# Altium PCB 删除机械层.PcbDoc
Units mil, origin at the board's own origin, x right, y up, seen from the top; angles counter-clockwise.
Board outline 2391.57 x 2391.57 mil, 2 copper layers (Top Layer, Bottom Layer); 91 components, 64 nets, 367 pads, 53 vias.
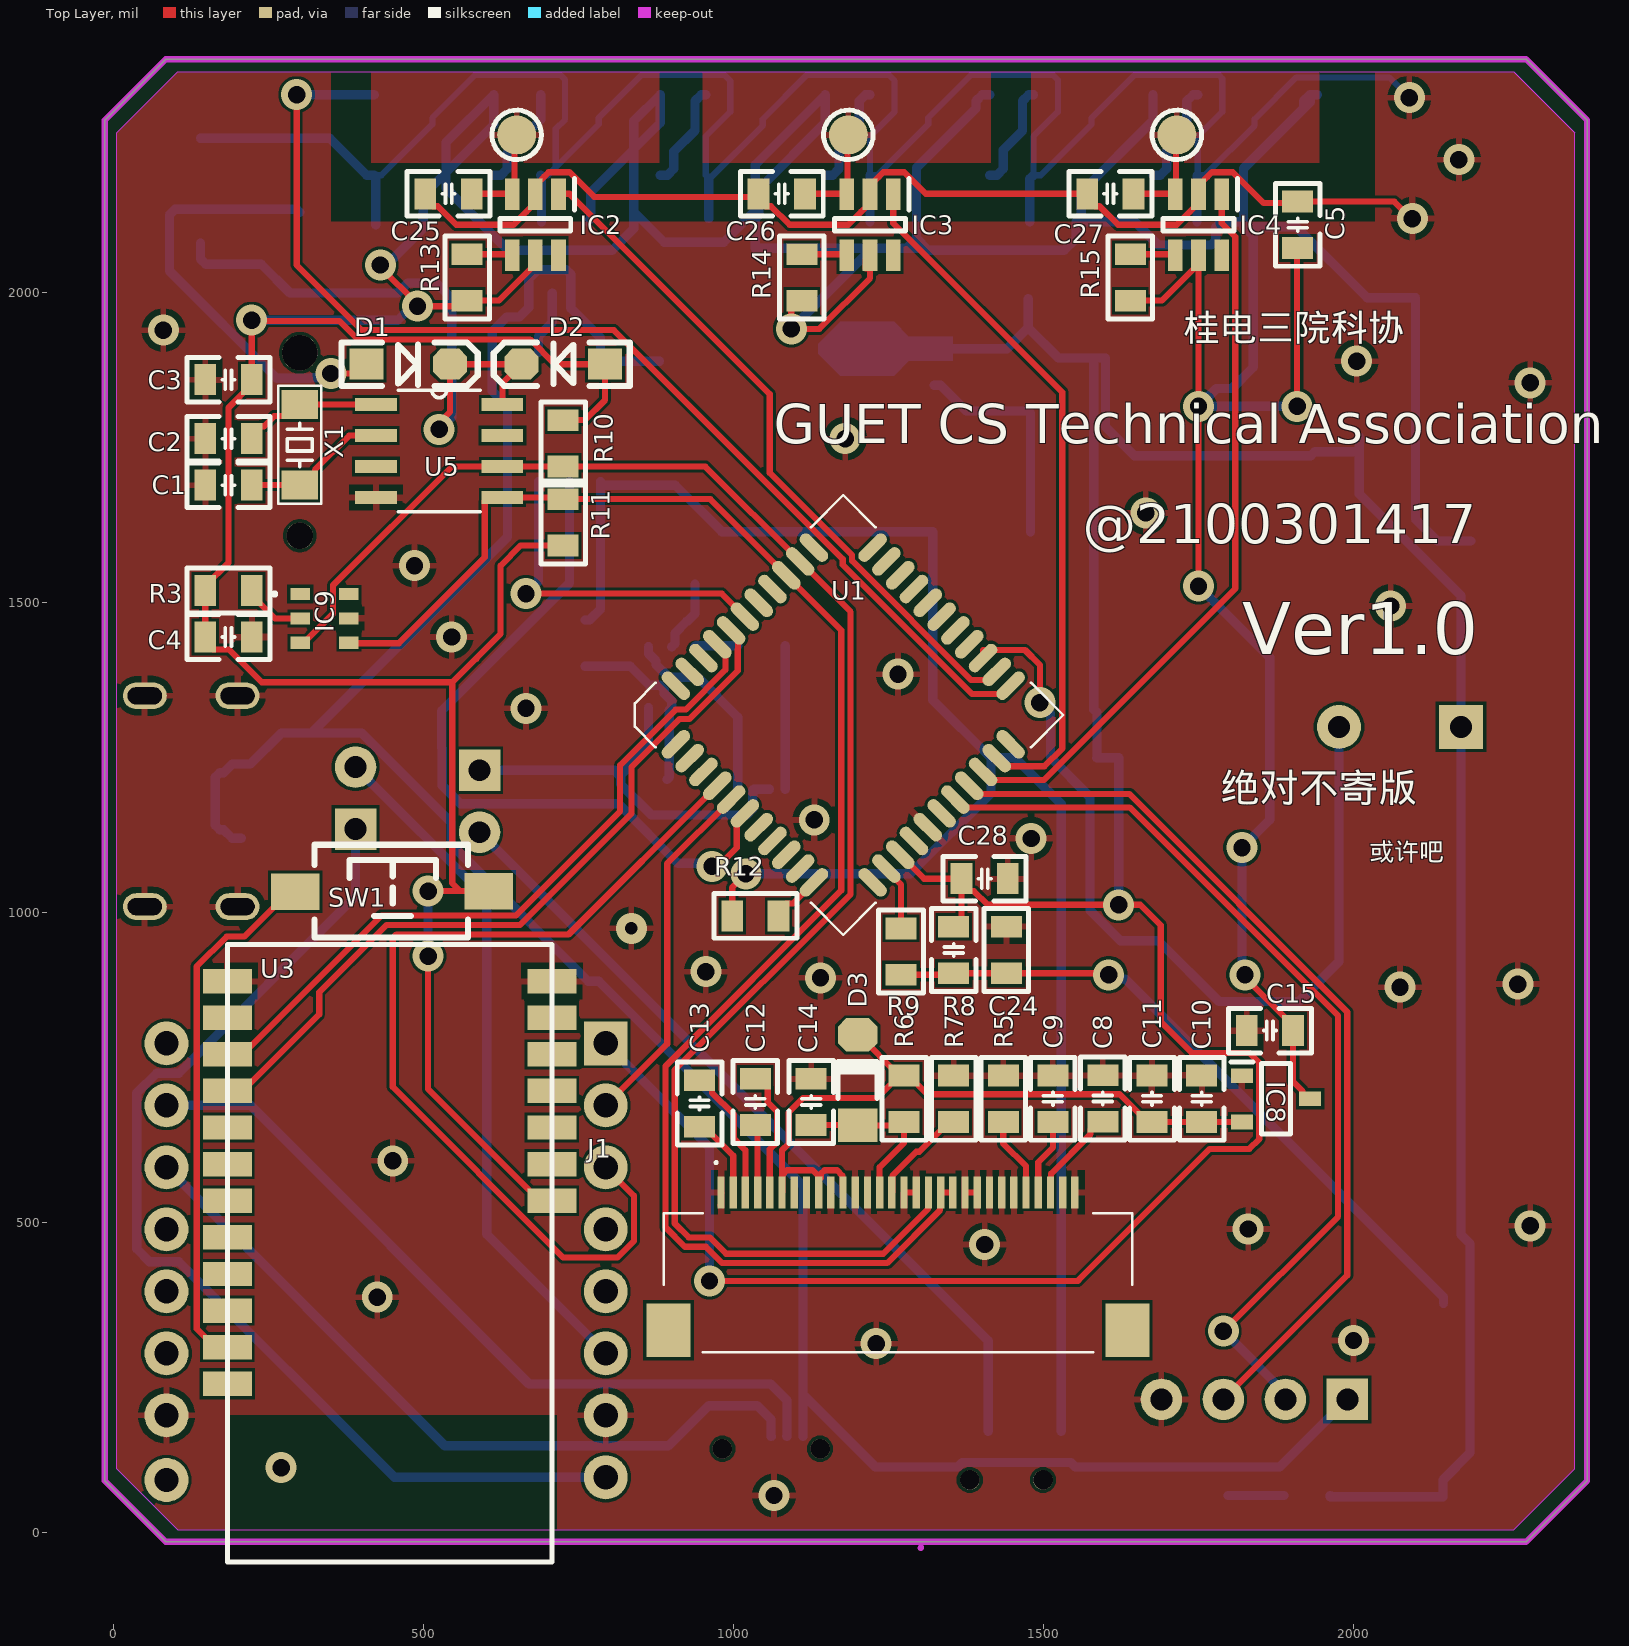
[diagram p0: Top Layer view]
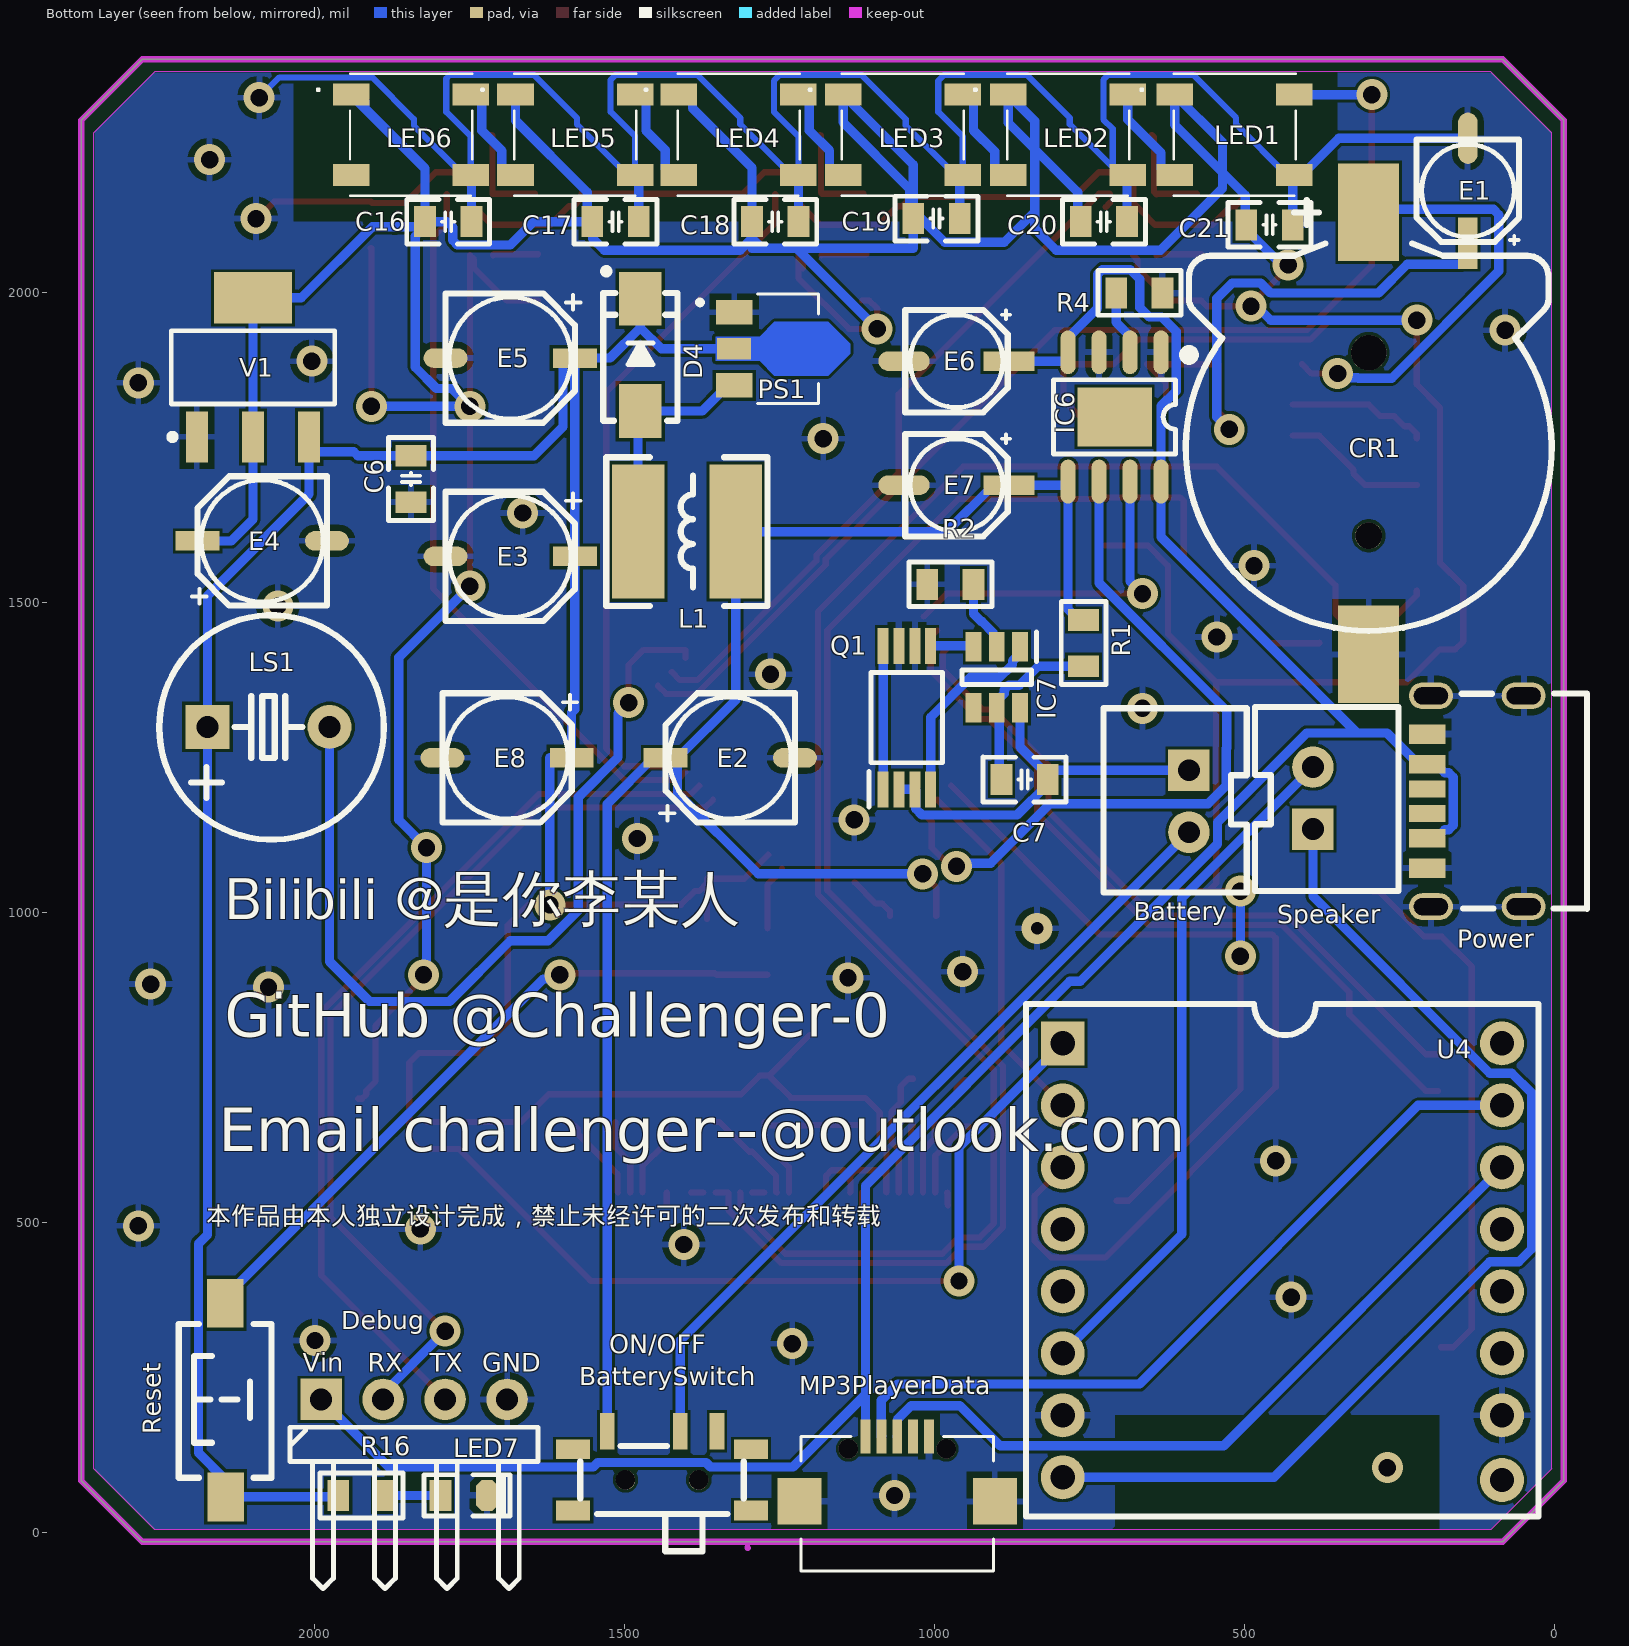
[diagram p1: Bottom Layer view, seen from below]

## Layer stack, top to bottom
Top Solder: solder mask 0.4, Solder Resist, Dk 3.5
Top Layer: signal copper 1.4
Dielectric 1: dielectric 12.6, FR-4, Dk 4.8
Bottom Layer: signal copper 1.4
Bottom Solder: solder mask 0.4, Solder Resist, Dk 3.5

## Board outline
-14.68,83.74 -14.68,2278.46 83.74,2376.89 2278.46,2376.89 2376.89,2278.46 2376.89,83.74 2278.46,-14.68 83.74,-14.68

## Design rules (kind name [scope] priority, off if disabled: settings)
Clearance Clearance_4 [IsRegion vs InComponent('MP3PlayerData')] p1: gap=5 ignorepadtopadclearanceinfootprint=FALSE
Clearance Clearance_3 [(InNetClass('All Nets')) vs OnLayer('Keep-Out Layer')] p2: gap=0 ignorepadtopadclearanceinfootprint=FALSE
Clearance Clearance_2 [InComponent('MP3PlayerData')] p3: gap=0 ignorepadtopadclearanceinfootprint=FALSE
Clearance Clearance_1 [IsNet vs IsPad] p4: gap=5 ignorepadtopadclearanceinfootprint=FALSE
Clearance PadToPad [IsPad vs IsPad] p5: gap=5 ignorepadtopadclearanceinfootprint=FALSE
Clearance [All] p6: gap=5 ignorepadtopadclearanceinfootprint=FALSE
MinimumSolderMaskSliver [All] p1: minsoldermaskwidth=2
PolygonConnect [All] p1: connectstyle=Relief reliefconductorwidth=10 reliefentries=4 polygonreliefangle="90 Angle" airgapwidth=10
RoutingVias [All] p1: holewidth=28 width=50 viastyle="Through Hole" minholewidth=28 minwidth=50 maxholewidth=28 maxwidth=50
SilkToSilkClearance [All] p1: silktosilkclearance=0
SilkToSolderMaskClearance [IsPad] p1: minsilkscreentomaskgap=0 clearancetoexposedcopper=TRUE
SolderMaskExpansion [All] p1: expansion=4 istentingtop=FALSE
Width [All] p1: maxlimit=20 minlimit=10 preferedwidth=10 minimp=50.000000 maximp=50.000000 favimp=50.000000
27 further rules are at their usual default settings.

## Components (designator, comment, footprint, x,y, rotation, side; value= is the part's Value field where it differs from the comment)
Battery "HDR-1X2" XH2.54-LI-2P 590,1180 r270 bottom (schematic designator JP_BAT)
BatterySwitch "SS-12F23" MSK-12C01-07 1440,85 r180 bottom (schematic designator S?)
C1 "15P" C0805_L 185,1690 r0 top
C2 "15P" C0805_L 185,1765 r180 top
C3 "104" C0805_L 185,1860 r0 top
C4 "104" C0805_L 185,1445 r180 top
C5 "104" C0805_L 1910,2110 r270 top
C6 "104" C0805_L 1845,1700 r90 bottom
C7 "104" C0805_L 855,1215 r0 bottom
C8 "2.2uF" C0805_L 1595.64,700.43 r270 top
C9 "4.7uF" C0805_L 1515,700 r270 top
C10 "1uF" C0805_L 1755,700 r270 top
C11 "1uF" C0805_L 1675,700 r270 top
C12 "1uF" C0805_L 1035,695 r90 top
C13 "1uF" C0805_L 945,692.4 r90 top
C14 "4.7uF" C0805_L 1125,695 r270 top
C15 "104" C0805_L 1865,810 r0 top
C16 "104" C0805_L 1785,2115 r180 bottom
C17 "104" C0805_L 1515,2115 r180 bottom
C18 "104" C0805_L 1257.4,2115 r180 bottom
C19 "104" C0805_L 997.4,2120 r180 bottom
C20 "104" C0805_L 727.4,2115 r180 bottom
C21 "104" C0805_L 460,2110 r180 bottom
C24 "10uF" C0805_L 1355,940 r270 top
C25 "104" C0805_L 540,2160 r180 top
C26 "104" C0805_L 1077.6,2160 r180 top
C27 "104" C0805_L 1607.6,2160 r180 top
C28 "104" C0805_L 1405,1055 r0 top
CR1 "1220" CR1220_A 300,1750 r90 bottom
D1 "稳压二极管" SOD-123 475,1885 r0 top
D2 "稳压二极管" SOD-123 725,1885 r180 top
D3 "1N4148" "MINI_MELF (LL34)" 1200,730 r90 top
D4 "SS14" SMA 1475,1900 r90 bottom
Debug "HDR-1X4" HDR2.54-WI-4P 1840,215 r180 bottom (schematic designator JP_DEBUG)
E1 "10uF/16V" "CE B(4*5.4)" 140,2165 r270 bottom
E2 "47uF/16V" "CE C(5*5.4)" 1330,1250 r0 bottom
E3 "47uF/16V" "CE C(5*5.4)" 1685,1575 r180 bottom
E4 "47uF/16V" "CE C(5*5.4)" 2085,1600 r0 bottom
E5 "47uF/16V" "CE C(5*5.4)" 1685,1895 r180 bottom
E6 "10uF/16V" "CE B(4*5.4)" 965,1890 r180 bottom
E7 "10uF/16V" "CE B(4*5.4)" 965,1690 r180 bottom
E8 "47uF/16V" "CE C(5*5.4)" 1690,1250 r180 bottom
IC2 "TTP223-BA6" SOT95P285X126-6N 680,2110 r270 top
IC3 "TTP223-BA6" SOT95P285X126-6N 1220,2110 r270 top
IC4 "TTP223-BA6" SOT95P285X126-6N 1750,2110 r270 top
IC6 "TP4056" SOIC-8_EP 710,1800 r270 bottom
IC7 "DW01A-G" SOT95P280X135-6N 900,1380 r270 bottom
IC8 "XC6206P332MR" SOT95P280X130-3N 1875,700 r0 top
IC9 "AHT20" AHT20 340,1475 r0 top
J1 "046288030000846+" 046288030000846 1265,420 r0 top
L1 "220uH" CD54 1400,1615 r0 bottom
LED1 "WS2812B-B" WS2812BB 516.46,2254.96 r180 bottom
LED2 "WS2812B-B" WS2812BB 785,2254.96 r180 bottom
LED3 "WS2812B-B" WS2812BB 1051.46,2254.96 r180 bottom
LED4 "WS2812B-B" WS2812BB 1316.46,2254.96 r180 bottom
LED5 "WS2812B-B" WS2812BB 1580,2254.96 r180 bottom
LED6 "WS2812B-B" WS2812BB 1845,2254.96 r180 bottom
LED7 "白色" LED0805_W 1760,60 r180 bottom
LS1 "DC5V" "BEEP 5x9x5.5" 2075,1300 r270 bottom
MP3PlayerData "USB2.0_Micro-B" USB2.0_MICRO-B_4 568.35,15.46 r90 bottom locked (schematic designator MP3Player_Debug)
Power "USB_TYPE-C_6Pin" USB-C-SMD_6P 127.75,1180.08 r0 bottom (schematic designator USB1)
PS1 "ME2108A33P" CONV_ME2108A33P 1245,1910 r180 bottom
Q1 "FS8205A" SOP65P640X120-8N 1045,1315 r90 bottom
R1 "100R" R0805_L 760,1435 r90 bottom
R2 "1K" R0805_L 975,1530 r0 bottom
R3 "1K" R0805_L 185,1520 r0 top
R4 "1.2K" R0805_L 670,2000 r0 bottom
R5 "620K" R0805_L 1435,700 r270 top
R6 "1K" R0805_L 1275,700 r90 top
R7 "4.7K" R0805_L 1355,700 r270 top
R8 "10K" R0805_L 1440,940 r270 top
R9 "300R" R0805_L 1270,937.4 r90 top
R10 "4.7K" R0805_L 725,1630 r270 top
R11 "4.7K" R0805_L 725,1757.4 r90 top
R12 "1K" R0805_L 1035,995 r0 top
R13 "1K" R0805_L 570,2025 r270 top
R14 "1K" R0805_L 1110,2025 r270 top
R15 "1K" R0805_L 1640,2025 r270 top
R16 "220R" R0805_L 1925,60 r180 bottom
Reset "3x6x5" "SW SMD-3*6*2.5" 2145,215 r90 bottom (schematic designator SW_RST)
Speaker "HDR-1X2" XH2.54-LI-2P 390,1185 r90 bottom (schematic designator JP_SPK)
SW1 "3x6x5" "SW SMD-3*6*2.5" 450,1035 r0 top
TP1 "TEST" "TEST 1.6" 650,2255 r0 top
TP2 "TEST" "TEST 1.6" 1185,2255 r0 top
TP3 "TEST" "TEST 1.6" 1715,2255 r0 top
U1 "IAP15W4K58S4_LQFP44" LQFP44 906.74,1271.81 r45 top
U3 "ATK_HC05" ATK_HC05 445,565 r180 top
U4 "XY5200" "DFPlayer Mini" 85,439.33 r180 bottom
U5 "PCF8563T/F4,118" SOIC127P600X175-8N 525,1745 r0 top
V1 "AMS1117-3V3" SOT223_L 2100,1880 r90 bottom
X1 "" XTAL-3215-2P 300,1755 r270 top

## Footprints (in the part's own frame and the unit in brackets; to place one, negate y for a bottom-side part, rotate by r counter-clockwise, add the part's x,y. Pads: shape width x height; smd on the part's side, far side on the other; paste and mask are expansions set on the pad)
046288030000846 [mm]
  rect 0.3x1.3 smd: 1(-7.25,3.275) 2(-6.75,3.275) 3(-6.25,3.275) 4(-5.75,3.275) 5(-5.25,3.275) 6(-4.75,3.275) 7(-4.25,3.275) 8(-3.75,3.275) 9(-3.25,3.275) 10(-2.75,3.275) 11(-2.25,3.275) 12(-1.75,3.275) 13(-1.25,3.275) 14(-0.75,3.275) 15(-0.25,3.275) 16(0.25,3.275) 17(0.75,3.275) 18(1.25,3.275) 19(1.75,3.275) 20(2.25,3.275) 21(2.75,3.275) 22(3.25,3.275) 23(3.75,3.275) 24(4.25,3.275) 25(4.75,3.275) 26(5.25,3.275) 27(5.75,3.275) 28(6.25,3.275) 29(6.75,3.275) 30(7.25,3.275)
  rect 1.8x2.2 smd: MP1(-9.4,-2.375) MP2(9.4,-2.375)
  silkscreen extent -9.6,-3.27 9.6,4.55
AHT20 [mm]
  rect 0.8x0.5 smd: 1(-1,1) 2(-1,0) 3(-1,-1) 4(1,-1) 5(1,0) 6(1,1)
  silkscreen extent -2.1,0.95 -2,1.05, body extent -1.5,-1.5 1.5,1.5, height 1.2
ATK_HC05 [mm] "欢迎光临https://shop463601444.taobao.com 掌柜ID：黄晶宝石"
  rect 2x1 smd: 1(-6.65,0.75) 2(-6.65,-0.75) 3(-6.65,-2.25) 4(-6.65,-3.75) 5(-6.65,-5.25) 6(-6.65,-6.75) 7(-6.65,-8.25) 8(6.65,-8.25) 9(6.65,-6.75) 10(6.65,-5.25) 11(6.65,-3.75) 12(6.65,-2.25) 13(6.65,-0.75) 14(6.65,0.75) 15(6.65,2.25) 16(6.65,3.75) 17(6.65,5.25) 18(6.65,6.75) 19(6.65,8.25)
  silkscreen extent -6.65,-9.75 6.65,15.55
"BEEP 5x9x5.5" [mm] "5*9*5.5mm(脚距,直径,高度)        淘宝ID:黄晶宝石"
  rect 1.8x1.8 hole 0.9: 1(0,-2.5)
  round 1.8 hole 0.9: 2(0,2.5)
  silkscreen extent -4.57,-4.47 4.62,4.73, body extent -4.5,-4.5 4.5,4.5, height 5.45
C0805_L [mil] "贴片MLCC电容"
  rect 35x50 smd: 1(-37.4,0) 2(37.4,0)
  silkscreen extent -67,-36 67,36, body extent -39,-24 39,24, height 21
CD54 [mm] "5.8*5.2*4.5mm（长宽高）        淘宝ID:黄晶宝石"
  rect 2.15x5.5 smd: 1(-2,0) 2(2,0)
  silkscreen extent -3.3,-3.05 3.3,3.05, body extent -2.87,-2.5 2.87,2.5, height 4
"CE B(4*5.4)" [mm] "贴片电解电容，直径4mm，高5.4mm"
  rect 2.1x0.8 smd: 1(2.15,0)
  oval 2.1x0.8 smd: 2(-2.15,0)
  silkscreen extent -2.1,-2.1 2.2,2.1, body extent -2.3,-2.15 2.3,2.15, height 5.45
"CE C(5*5.4)" [mm] "贴片电解电容，直径5mm，高5.4mm"
  rect 1.8x0.8 smd: 1(2.65,0)
  oval 1.8x0.8 smd: 2(-2.65,0)
  silkscreen extent -2.65,-2.65 2.88,2.65, body extent -2.95,-2.65 2.95,2.65, height 5.48
CONV_ME2108A33P [mm]
  rect 1.5x1 smd mask+0: 1(-2,1.5) 3(-2,-1.5)
  rect 1.4x0.9 smd paste-2 mask+0: 2(-2,0)
  Top Layer region: 2.75,0.2 2.75,-0.2 1.85,-1.1 -0.35,-1.1 -0.95,-0.5 -2.75,-0.5 -2.75,0.5 -0.95,0.5 -0.35,1.1 1.85,1.1
  silkscreen extent -3.5,-2.25 1.45,2.25, body extent -2.25,-2.6 2.25,1.65, height 1.6
CR1220_A [mm] "纽扣电池座                         淘宝ID:黄晶宝石"
  round 1.1 hole 1.1: 0(-3.6,0)
  round 1.45 hole 1.45: 0(3.9,0)
  rect 4x2.5 smd: 1(9.652,0) 2(-8.458,0)
  silkscreen extent -7.5,-7.5 10.16,7.5, body extent -9.42,-7.45 10.34,7.45, height 4.05
"DFPlayer Mini" [mm] "长：21mm ， 宽： 21mm，高：6mm"
  rect 1.8x1.8 hole 1: 1(-18,8.89)
  round 1.8 hole 1: 2(-18,6.35) 3(-18,3.81) 4(-18,1.27) 5(-18,-1.27) 6(-18,-3.81) 7(-18,-6.35) 8(-18,-8.89) 9(0,-9) 10(0,-6.35) 11(0,-3.81) 12(0,-1.27) 13(0,1.27) 14(0,3.81) 15(0,6.35) 16(0,8.89)
  silkscreen extent -19.5,-10.5 1.5,10.5, body extent -19.5,-10.5 1.5,10.5, height 6.02
HDR2.54-WI-4P [mm] "弯脚排针，4脚"
  rect 1.7x1.7 hole 0.9: 1(-3.81,0)
  round 1.7 hole 0.9: 2(-1.27,0) 3(1.27,0) 4(3.81,0)
  silkscreen extent -5.08,-7.76 5.08,-1.14, body extent -5.08,-7.77 5.08,1.27, height 4.9
LED0805_W [mil] "白色0805LED"
  rect 35x50 smd: 1(-37.4,0)
  oct 35x50 smd: 2(37.4,0)
  silkscreen extent -64,-33 75,33, body extent -39,-25 39,25, height 32
LQFP44 [mm]
  oval 1.45x0.5 smd: 1(0,0) 2(0,-0.8) 3(0,-1.6) 4(0,-2.4) 5(0,-3.2) 6(0,-4) 7(0,-4.8) 8(0,-5.6) 9(0,-6.4) 10(0,-7.2) 11(0,-8) 23(11.4,-8) 24(11.4,-7.2) 25(11.4,-6.4) 26(11.4,-5.6) 27(11.4,-4.8) 28(11.4,-4) 29(11.4,-3.2) 30(11.4,-2.4) 31(11.4,-1.6) 32(11.4,-0.8) 33(11.4,0)
  oval 0.5x1.45 smd: 12(1.7,-9.7) 13(2.5,-9.7) 14(3.3,-9.7) 15(4.1,-9.7) 16(4.9,-9.7) 17(5.7,-9.7) 18(6.5,-9.7) 19(7.3,-9.7) 20(8.1,-9.7) 21(8.9,-9.7) 22(9.7,-9.7) 34(9.7,1.7) 35(8.9,1.7) 36(8.1,1.7) 37(7.3,1.7) 38(6.5,1.7) 39(5.7,1.7) 40(4.9,1.7) 41(4.1,1.7) 42(3.3,1.7) 43(2.5,1.7) 44(1.7,1.7)
  silkscreen extent -0.68,-10.38 12.07,2.38
"MINI_MELF (LL34)" [mm] "1.5*3.4mm(直径，脚距）"
  rect 1.37x1.62 smd: 1(-1.855,0)
  oct 1.37x1.62 smd: 2(1.855,0)
  silkscreen extent -0.76,-0.8 0.78,0.8, body extent -1.7,-0.75 1.7,0.75, height 1.5
MSK-12C01-07 [mm] "6.7*2.8*1.5mm(长宽高）                     淘宝ID:黄晶宝石"
  rect 1.4x0.8 smd: 0(-3.65,-1.25) 0(-3.65,1.25) 0(3.65,-1.25) 0(3.65,1.25)
  rect 0.6x1.5 smd: 1(-2.25,1.996) 2(0.75,1.996) 3(2.25,1.996)
  round 0.8 hole 0.8: " "(-1.5,0) " "(1.5,0)
  silkscreen extent -3.35,-2.92 3.35,1.4, body extent -3.92,-2.9 3.92,2.4, height 1.5
R0805_L [mil] "1/8W贴片电阻"
  rect 35x50 smd: 1(-37.4,0) 2(37.4,0)
  silkscreen extent -67,-36 67,36, body extent -39,-25 39,25, height 20
SMA [mm] "4.5x2.6*2.2mm（长宽高，不包括引脚）"
  rect 2.2x1.75 smd: 1(-2.3,0) 2(2.3,0)
  silkscreen extent -2.7,-1.52 3.56,1.52, body extent -2.55,-1.3 2.55,1.3, height 2.15
SOD-123 [mil] "2.7x1.6X1.1mm（长宽高，不包括引脚） 淘宝ID:黄晶宝石"
  rect 55x50 smd: 1(-67.5,0)
  oct 55x50 smd: 2(67.5,0)
  silkscreen extent -108,-35 112,35, body extent -73,-31 73,31, height 50
SOIC127P600X175-8N [mil]
  rect 67x21 smd: 1(-102,75) 2(-102,25) 3(-102,-25) 4(-102,-75) 5(102,-75) 6(102,-25) 7(102,25) 8(102,75)
  silkscreen extent -66,-98 66,98
SOIC-8_EP [mm] "5*6*1.8mm（长宽高"
  oval 1.8x0.61 smd: 1(-2.65,1.905) 2(-2.65,0.635) 3(-2.65,-0.635) 4(-2.65,-1.905) 5(2.65,-1.905) 6(2.65,-0.635) 7(2.65,0.635) 8(2.65,1.905)
  rect 2.413x3.048 smd paste-2: 9(0,0)
  rect 0.9x0.7 on Bottom Paste: 10(-0.625,-1.1) 10(-0.625,0) 10(-0.625,1.1) 11(0.65,-1.1) 11(0.65,0) 11(0.65,1.1)
  silkscreen extent -2.69,-2.5 1.52,3.2, body extent -3,-2.5 3,2.5, height 1.53
SOP65P640X120-8N [mm]
  rect 1.475x0.45 smd: 1(-2.938,0.975) 2(-2.938,0.325) 3(-2.938,-0.325) 4(-2.938,-0.975) 5(2.938,-0.975) 6(2.938,-0.325) 7(2.938,0.325) 8(2.938,0.975)
  silkscreen extent -3.67,-1.47 1.85,1.55, body extent -3.2,-1.47 3.2,1.46, height 1.2
SOT95P280X130-3N [mm]
  rect 0.9x0.6 smd: 1(-1.4,0.95) 2(-1.4,-0.95) 3(1.4,0)
  silkscreen extent -1.85,-1.45 0.6,1.5, body extent -1.4,-1.45 1.4,1.45, height 1.3
SOT95P280X135-6N [mm]
  rect 1.2x0.65 smd: 1(-1.25,0.95) 2(-1.25,0) 3(-1.25,-0.95) 4(1.25,-0.95) 5(1.25,0) 6(1.25,0.95)
  silkscreen extent -1.85,-1.42 0.3,1.62, body extent -1.4,-1.43 1.4,1.43, height 1.35
SOT95P285X126-6N [mm]
  rect 1.3x0.6 smd: 1(-1.25,0.95) 2(-1.25,0) 3(-1.25,-0.95) 4(1.25,-0.95) 5(1.25,0) 6(1.25,0.95)
  silkscreen extent -1.9,-1.45 0.25,1.6
SOT223_L [mm] "SOT223, 4-Leads, Body 6.5x3.5mm, Pitch 2.3mm, Lead Span 7mm, IPC High Density"
  rect 2.1x0.9 smd: 1(-2.85,2.3) 2(-2.85,0) 3(-2.85,-2.3)
  rect 2.1x3.2 smd: 4(2.85,0)
  silkscreen extent -2.97,-3.35 1.5,3.43, body extent -3.51,-3.25 3.51,3.25, height 1.65
"SW SMD-3*6*2.5" [mm] "3*6*2.5mm"
  rect 2x1.5 smd: 1(-3.996,-0.02) 2(3.937,0)
  silkscreen extent -3.21,-1.9 3.09,1.9, body extent -4,-1.75 4,1.75, height 2.59
"TEST 1.6" [mm] "测试点1.6mm"
  round 1.6 smd paste-1.6: 1(0,0)
  silkscreen extent -1.01,-1.02 1.02,1.02
USB2.0_MICRO-B_4 [mm] "micro型USB ，5.7*7.5*2.5mm封装库来自淘宝ID:黄晶宝石"
  rect 1.4x0.4 smd: 1(3.544,13.803) 2(3.544,13.153) 3(3.544,12.503) 4(3.544,11.853) 5(3.544,11.203)
  rect 1.9x1.8 smd: 5(0.894,8.503) 5(0.894,16.503)
  Keep-Out Layer lines w0.254: -1.016,18.633 -0.991,18.644
  silkscreen extent -1.96,8.57 3.54,16.44, body extent -1.86,8.51 3.57,16.49, height 2.72
USB-C-SMD_6P [mil] "封装库来自淘宝ID:黄晶宝石"
  oval 70.82x43.31 hole 27.56 slot 55.16 at 0 deg: 0(-77.75,-170.08) 0(-77.75,170.08) 0(71.85,-170.08) 0(71.85,170.08)
  rect 59x27.6 smd: A5(77.76,19.7) B5(77.76,-19.7)
  rect 59x29.9 smd: A9(77.76,-59.85) B9(77.76,59.85)
  rect 59x31.5 smd: A12(77.76,-108.25) B12(77.76,108.25)
  silkscreen extent -180,-174 22,174, body extent -172,-176 95,176, height 127
WS2812BB [mm]
  rect 1.5x0.9 smd: 1(-2.45,1.65) 2(-2.45,-1.65) 3(2.45,-1.65) 4(2.45,1.65)
  silkscreen extent -3.85,-2.5 2.5,2.5, body extent -3.2,-2.5 3.2,2.5, height 2.65
XH2.54-LI-2P [mm] "接插件，2P"
  rect 1.7x1.7 hole 0.9: 1(-1.27,0)
  round 1.7 hole 0.9: 2(1.27,0)
  silkscreen extent -3.81,-3.51 3.74,2.37, body extent -3.77,-3.3 3.77,2.4, height 7.05
XTAL-3215-2P [mm] "3.2*1.5*0.6mm(长宽高)"
  rect 1.2x1.5 smd: 1(-1.65,0) 2(1.65,0)
  silkscreen extent -2.41,-0.89 2.41,0.89, body extent -1.6,-0.75 1.6,0.75, height 0.61